# Altium PCB AiwacA33.PcbDoc (part 13 of 14) (continued)
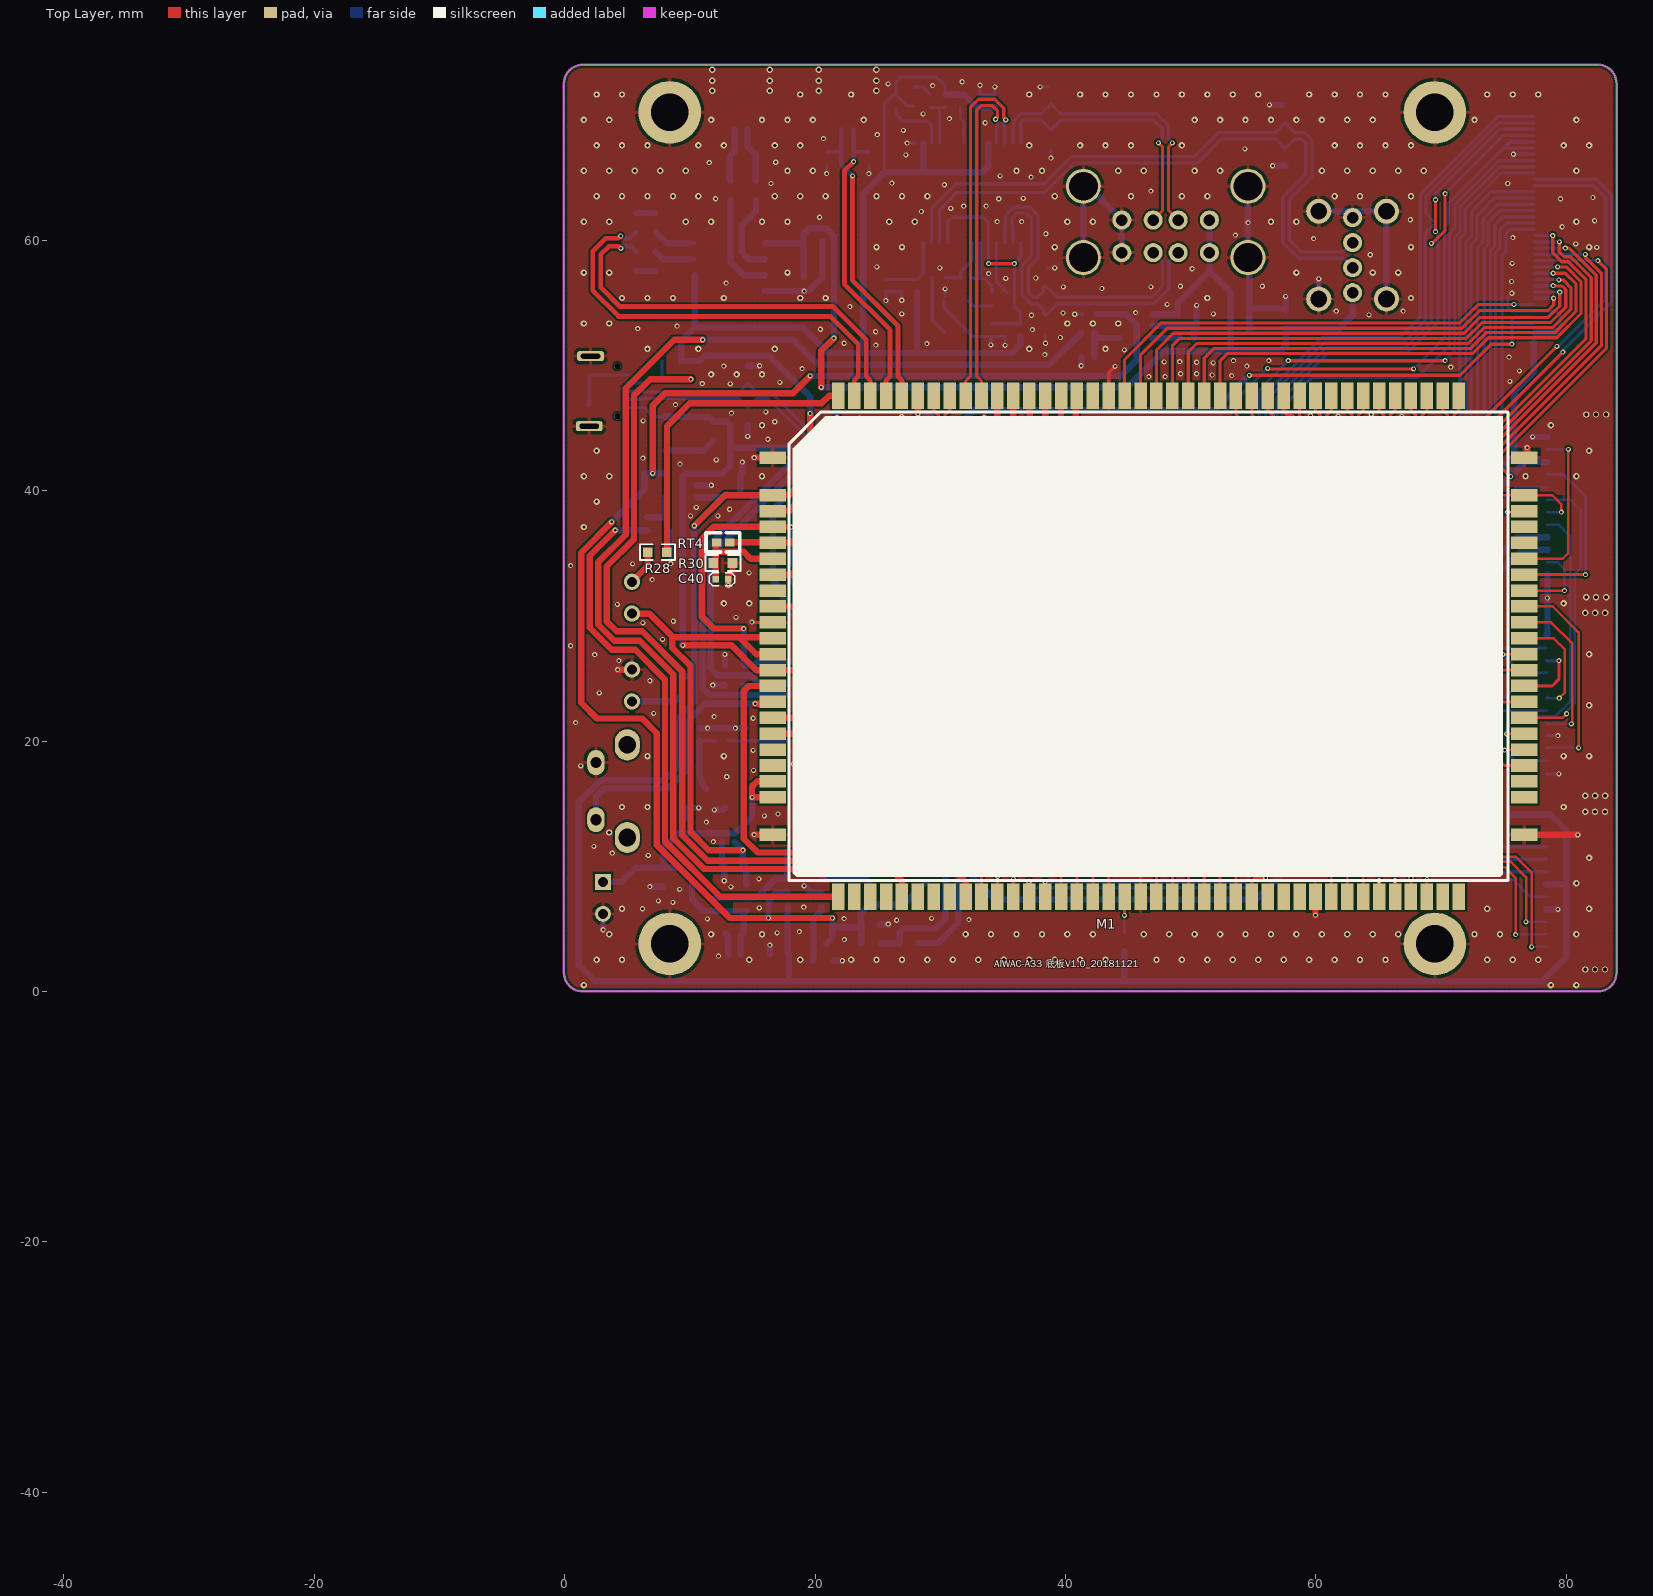
[diagram p0: Top Layer view]
## Nets (pads, with @x,y where several pads share a name; then routed paths per layer and width w, separated by ;. In a path a pad name is that pad's centre, name@x,y a point inside that pad or via, vN(x,y) a via of type N, cw(c..) or ccw(c..) an arc to the next point about the centre after c; other vN are vias at no path point) (continued)
LVDS0_VNC: J1.31 M1.83 | length 29.5
  Top Layer w0.254: v1(68.549,45.644) 68.473,45.72 68.473,46.012 68.854,46.393 M1.83@68.854,47.57
  Bottom Layer w0.254: v1(68.549,45.644) 68.549,45.116 68.732,44.933 70.536,44.933 71.476,45.872 71.476,60.08 71.907,60.512 71.907,62.484 74.782,65.358 J1.31@77.405,65.358
LVDS0_VP0: J1.22 M1.90 | length 40
  Top Layer w0.254: M1.90@59.964,47.57 59.964,46.393 60.345,46.012 60.345,45.39 v1(60.269,45.314)
  Bottom Layer w0.254: v1(60.269,45.314) 60.345,45.237 60.345,43.173 62.091,41.427 63.553,41.427 63.578,41.402 72.342,41.402 74.854,43.914 74.854,58.798 75.184,59.128 75.184,60.554 75.489,60.858 J1.22@77.405,60.858
LVDS0_VP1: J1.24 M1.88 | length 37.2
  Top Layer w0.254: M1.88@62.504,47.57 62.504,46.393 62.885,46.012 62.885,45.491 v1(62.809,45.415)
  Bottom Layer w0.254: v1(62.809,45.415) 62.885,45.339 62.885,43.388 63.957,42.316 71.963,42.316 73.939,44.293 73.939,59.177 74.27,59.507 74.27,61.207 74.921,61.858 J1.24@77.405,61.858
LVDS0_VP2: J1.26 M1.86 | length 33.6
  Top Layer w0.254: M1.86@65.044,47.57 65.044,46.393 65.425,46.012 65.425,45.796 v1(65.349,45.72)
  Bottom Layer w0.254: v1(65.349,45.72) 65.425,45.644 65.425,44.397 66.338,43.485 71.838,43.485 72.898,44.544 72.898,59.429 73.355,59.886 73.355,61.715 74.499,62.858 J1.26@77.405,62.858
LVDS0_VPC: J1.28 M1.84 | length 30.1
  Top Layer w0.254: M1.84@67.584,47.57 67.584,46.393 67.965,46.012 67.965,45.72 v1(67.889,45.644)
  Bottom Layer w0.254: v1(67.889,45.644) 67.889,45.058 68.522,44.425 70.841,44.425 71.984,45.568 71.984,59.87 72.415,60.302 72.415,62.274 74,63.858 J1.28@77.405,63.858
MCLK-IN: R20.1 U6.30 | length 9
  Top Layer w0.508: v1(33.477,21.819) 36.474,21.819 v1(37.262,22.606)
  Bottom Layer w0.508: U6.30@29.628,21.87 29.679,21.819 v1(33.477,21.819) ; v1(37.262,22.606) R20.1@38.329,22.606
MIC+: C23.2 C25.1 J6.1 M1.116 | length 24.5
  Top Layer w0.381: v1(23,65.126) 22.987,65.113 22.987,56.794 26.627,53.155 26.627,49.128 26.944,48.81 M1.116@26.944,47.57
  Bottom Layer w0.254: C23.2@20.924,66.98 21.001,67.057 C25.1@22.093,67.057
  Bottom Layer w0.381: J6.1@22.101,68.826 22.101,67.065 C25.1@22.093,67.057 22.093,66.033 v1(23,65.126)
MIC-: C25.2 C27.1 J6.2 M1.117 | length 24.4
  Top Layer w0.381: v1(23.089,66.269) 22.352,65.532 22.352,56.464 25.992,52.825 25.992,49.128 25.674,48.81 M1.117@25.674,47.57
  Bottom Layer w0.254: C25.2@23.109,67.057 C27.1@24.328,67.057
  Bottom Layer w0.381: v1(23.089,66.269) 23.089,67.036 C25.2@23.109,67.057 23.101,67.064 J6.2@23.101,68.826
NetANT1_1: ANT1.1 C37.2 C39.2 | length 5.3
  Bottom Layer w0.254: C37.2@10.744,20.015 C39.2@12.06,20.016
  Bottom Layer w0.508: C37.2@10.744,20.015 10.744,17.59 ccw(c12.739,17.59) ANT1.1@11.328,16.18
NetC1_1: C1.1 C2.1 L1.2 U1.1 U1.5 U1.10 | length 19.8
  Top Layer w0.254: v1@33.889,58.115 v1(35.921,58.115)
  Bottom Layer w0.254: U1.10@30.597,59.817 30.597,61.509 30.912,61.824 33.426,61.824 33.848,61.402 U1.5@33.848,59.817 v1@33.848,58.125 ; C1.1@34.038,53.323 C2.1@35.206,53.323 L1.2@36.398,53.323 36.398,54.204 35.921,54.681 v1(35.921,58.115) 36.449,58.644 U1.1@36.449,59.817
  other v1: 33.858,58.115
NetC5_1: C5.1 Y1.3 | length 2.1
  Bottom Layer w0.254: Y1.3@32.209,55.186 32.671,54.724 C5.1@34.138,54.724
NetC5_2: C5.2 R3.2 U1.6 | length 5.3
  Bottom Layer w0.254: R3.2@32.588,57 R3.2@32.649,56.939 33.249,56.939 ; U1.6@33.198,59.817 33.198,56.99 33.249,56.939 ; C5.2@34.138,55.74 34.138,56.312 33.511,56.939 33.249,56.939
NetC6_1: C6.1 Y1.1 | length 4.7
  Bottom Layer w0.254: C6.1@29.364,56.99 29.364,53.631 Y1.1@30.309,52.686
NetC6_2: C6.2 R3.1 U1.7 | length 4.5
  Bottom Layer w0.254: C6.2@30.38,56.99 31.582,56.99 R3.1@31.633,56.939 31.633,57.465 32.548,58.379 U1.7@32.548,59.817
NetC7_1: C7.1 R7.1 R8.2 U1.13 | length 5.7
  Bottom Layer w0.254: C7.1@25.629,56.896 25.662,56.863 R8.2@26.922,56.863 R7.1@28.141,56.863 28.646,57.368 U1.13@28.646,59.817
NetC16_2: C16.2 R16.1 R18.2 U2.3 | length 4.6
  Bottom Layer w0.508: R18.2@19.807,2.464 19.883,2.541 C16.2@19.883,3.811 19.883,5.106 R16.1@19.858,5.131 19.858,5.811 20.493,6.446 U2.3@20.493,6.782
NetC22_1: C22.1 R19.2 Y2.1 | length 4
  Bottom Layer w0.508: C22.1@32.487,11.608 34.1,11.608 R19.2@34.112,11.62 34.733,11 Y2.1@36.225,11
NetC24_1: C24.1 J7.1 L3.1 | length 4.3
  Bottom Layer w0.508: L3.1@13.254,64.72 13.177,64.796 C24.1@13.177,66.142 13.177,66.695 13.592,67.11 J7.1@13.592,68.826
NetC26_2: C26.2 R23.1 | length 1.5
  Bottom Layer w0.508: C26.2@5.74,57.531 7.252,57.531 R23.1@7.264,57.544
NetC28_2: C28.2 R24.1 | length 1.6
  Bottom Layer w0.508: C28.2@5.715,62.166 7.252,62.166 R24.1@7.264,62.179
NetC30_1: C30.1 J7.2 L4.1 | length 4.4
  Bottom Layer w0.508: J7.2@14.592,68.826 14.592,67.475 15.26,66.807 C30.1@15.26,66.142 15.26,64.745 L4.1@15.286,64.72
NetC31_1: C31.1 R22.1 U3.3 Y2.3 | length 6.5
  Bottom Layer w0.508: R22.1@35.077,16.751 35.664,16.751 U3.3@36.794,15.621 ; C31.1@35.255,15.303 35.573,15.621 U3.3@36.794,15.621 ; Y2.3@38.125,13.5 36.794,14.831 U3.3@36.794,15.621
NetC38_2: C38.2 C39.1 U6.2 | length 4.9
  Bottom Layer w0.254: C39.1@13.076,20.016 C38.2@14.453,20.015 ; C38.2@14.453,20.015 17.923,20.015 U6.2@17.978,20.07
NetC46_2: C46.2 L5.2 U6.23 | length 12.4
  Bottom Layer w0.508: U6.23@29.628,28.17 32.511,28.17 C46.2@32.537,28.143 32.537,34.29 31.953,34.874 30.449,34.874 L5.2@29.713,34.138
NetD8_3: D8.3 L2.1 U2.6 | length 8.5
  Bottom Layer w0.508: D8.3@12.055,7.505 15.354,7.505 16.841,8.992 17.775,8.992 L2.1@17.775,11.151
NetD9_1: D9.1 L2.2 U2.1 | length 6.4
  Bottom Layer w0.508: L2.2@21.077,11.151 21.077,10.028 20.493,9.444 U2.1@20.493,8.967 24.085,8.967 D9.1@24.339,8.713
NetD10_K: D10.K R28.1 | length 2.9
  Top Layer w0.508: D10.K@5.38,32.715 6.655,33.99 R28.1@6.655,35.077
NetD11_A: D11.A R33.1 | length 4.1
  Bottom Layer w0.508: D11.A@5.38,23.165 8.839,23.165 R33.1@9.322,23.647
NetD19_2: D19.2 R5.1 | length 1.6
  Bottom Layer w0.254: D19.2@27.91,72.238 28.587,72.238 R5.1@29.222,71.603
NetJ9_1: J9.1 R35.2 | length 2.9
  Bottom Layer w0.254: R35.2@75.565,12.649 75.655,12.559 J9.1@78.401,12.559
NetJ10_4: J10.4 R38.2 R39.1 | length 4.3
  Bottom Layer w0.254: J10.4@5.049,48.585 6.573,48.585 6.884,48.896 R38.2@7.793,48.896 R39.1@7.793,50.343
NetL3_2: L3.2 U4.7 | length 8.1
  Bottom Layer w0.508: L3.2@13.254,63.196 13.254,58.273 14.325,57.201 U4.7@15.997,57.201
NetL4_2: L4.2 U4.6 | length 6.7
  Bottom Layer w0.508: L4.2@15.286,63.196 15.286,62.301 14.148,61.163 14.148,59.055 14.731,58.471 U4.6@15.997,58.471
NetL5_1: L5.1 U6.21 | length 4.4
  Bottom Layer w0.254: U6.21@27.403,29.495 27.403,30.248 27.991,30.836 29.464,30.836 29.713,31.084 L5.1@29.713,32.106
NetM1_39: M1.39 R13.2 | length 2.9
  Top Layer w0.254: v1(44.704,6.071) 44.704,7.55 M1.39@44.724,7.57
  Bottom Layer w0.254: R13.2@44.704,4.724 v1(44.704,6.071)
NetR1_1: R1.1 U1.4 | length 4.4
  Bottom Layer w0.254: U1.4@34.498,59.817 34.498,56.637 R1.1@35.382,55.753 R1.1@35.375,55.753
NetR2_2: R2.2 U1.21 | length 3
  Bottom Layer w0.254: R2.2@31.618,70.587 31.618,69.703 31.897,69.423 U1.21@31.897,67.716
NetR4_2: R4.2 R5.2 U1.18 | length 4.1
  Bottom Layer w0.254: R5.2@29.222,70.587 29.865,70.587 ; U1.18@29.947,67.716 29.947,70.505 29.865,70.587 ; R4.2@30.424,70.587 29.865,70.587
NetR6_2: R6.2 U1.17 | length 5.2
  Bottom Layer w0.254: R6.2@26.467,70.587 26.467,70.028 26.975,69.52 28.931,69.52 29.296,69.154 U1.17@29.296,67.716
NetR19_1: R19.1 R22.2 U3.1 U3.4 | length 12.5
  Bottom Layer w0.508: R19.1@34.112,13.144 33.071,14.186 33.071,17.729 33.617,18.275 R22.2@35.077,18.275 36.54,18.275 U3.4@36.794,18.021 36.794,17.772 37.65,16.916 38.049,16.916 38.694,16.271 U3.1@38.694,15.621
NetR20_2: R20.2 U3.6 | length 3.2
  Bottom Layer w0.508: R20.2@38.329,21.082 38.329,19.888 38.694,19.522 U3.6@38.694,18.021
NetR21_2: R21.2 U3.5 | length 3.9
  Bottom Layer w0.508: R21.2@35.763,21.082 37.744,19.101 U3.5@37.744,18.021
NetR23_2: R23.2 U4.3 | length 3.4
  Bottom Layer w0.254: U4.3@10.033,58.471 U4.3@10.409,58.471
  Bottom Layer w0.508: R23.2@7.264,59.068 7.861,58.471 U4.3@10.033,58.471
NetR24_2: R24.2 U4.4 | length 3.5
  Bottom Layer w0.254: U4.4@9.982,59.741 U4.4@10.409,59.741
  Bottom Layer w0.508: R24.2@7.264,60.655 8.178,59.741 U4.4@9.982,59.741
NetR29_1: R29.1 U6.29 | length 3
  Bottom Layer w0.508: U6.29@29.628,22.77 32.475,22.77 R29.1@32.588,22.657
NetR34_1: R34.1 U6.24 | length 3.2
  Bottom Layer w0.508: U6.24@29.628,27.27 31.099,27.27 31.724,26.645 R34.1@32.55,26.645
NetR40_1: R40.1 U6.17 | length 3
  Bottom Layer w0.254: U6.17@23.803,29.495 23.803,30.305 25.014,31.516 R40.1@25.014,31.979
NetRT1_1: RT1.1 RT2.2 U5.4 | length 3.2
  Bottom Layer w0.508: RT1.1@6.599,37.872 8.128,37.872 8.021,37.979 U5.4@8.021,39.46
NetRT3_2: RT3.2 U5.3 | length 2.5
  Bottom Layer w0.508: U5.3@10.561,39.46 12.707,39.46 RT3.2@12.974,39.726
NetRT5_1: RT5.1 RT6.2 U7.4 | length 4.2
  Bottom Layer w0.508: RT6.2@42.291,50.648 RT5.1@42.291,52.578 42.684,52.185 U7.4@44.394,52.185
NetRT7_2: RT7.2 U7.3 | length 2.2
  Bottom Layer w0.508: U7.3@46.934,52.185 RT7.2@49.182,52.185
PB6: M1.48
PE0_CSI-PCLK: J2.7 M1.63 | length 10.2
  Top Layer w0.203: v1(74.403,22.435) 74.403,18.713 75.072,18.045 M1.63@76.629,18.045
  Bottom Layer w0.203: v1(74.403,22.435) J2.7@78.41,22.435
PE1_CSI-MCLK: J2.11 M1.64 | length 5.3
  Top Layer w0.203: v1(75.057,19.279) 75.093,19.315 M1.64@76.629,19.315
  Bottom Layer w0.203: v1(75.057,19.279) 75.901,18.435 J2.11@78.41,18.435
PE2_CSI-HSYNC: J3.8 M1.65 | length 23.3
  Top Layer w0.203: v1(75.235,20.574) 76.618,20.574 M1.65@76.629,20.585
  Bottom Layer w0.203: v1(75.235,20.574) 75.235,21.184 76.022,21.971 79.105,21.971 80.304,23.17 80.304,36.333 79.359,37.278 J3.8@78.486,37.278
PE3_CSI-VSYNC: J3.6 M1.66 | length 23.3
  Top Layer w0.203: M1.66@76.629,21.855 79.691,21.855 v1(80.01,22.174)
  Bottom Layer w0.203: J3.6@78.486,39.278 80.331,39.278 81.142,38.466 81.142,33.822 80.66,33.339 80.66,23.022 79.911,22.274 v1(80.01,22.174)
PE4_CSI-D0: J2.5 M1.67 | length 6.1
  Top Layer w0.203: v1(74.727,23.114) 76.618,23.114 M1.67@76.629,23.125
  Bottom Layer w0.203: v1(74.727,23.114) 76.048,24.435 J2.5@78.41,24.435
PE5_CSI-D1: J2.3 M1.68 | length 5.5
  Top Layer w0.254: M1.68@76.629,24.395 78.852,24.395 79.4,24.943 v1(79.4,26.416)
  Bottom Layer w0.254: J2.3@78.41,26.435 78.429,26.416 v1(79.4,26.416)
PE6_CSI-D2: J2.2 M1.69 | length 8.3
  Top Layer w0.254: v1(74.016,27.432) 74.016,26.518 74.868,25.665 M1.69@76.629,25.665
  Bottom Layer w0.254: v1(74.016,27.432) 74.018,27.435 J2.2@78.41,27.435
PE7_CSI-D3: J2.4 M1.70 | length 5.8
  Top Layer w0.203: v1(74.93,26.924) 76.618,26.924 M1.70@76.629,26.935
  Bottom Layer w0.203: v1(74.93,26.924) 76.419,25.435 J2.4@78.41,25.435
PE8_CSI-D4: J2.6 M1.71 | length 8.9
  Top Layer w0.203: M1.71@76.691,28.143 M1.71@76.629,28.205 78.983,28.205 79.858,27.33 79.858,23.851 v1(79.426,23.419)
  Bottom Layer w0.203: J2.6@78.41,23.435 78.495,23.52 78.597,23.419 v1(79.426,23.419)
PE9_CSI-D5: J2.8 M1.72 | length 13
  Top Layer w0.203: M1.72@76.629,29.475 78.78,29.475 80.467,27.788 80.467,21.438 v1(80.391,21.361)
  Bottom Layer w0.203: J2.8@78.41,21.435 78.413,21.438 78.489,21.361 v1(80.391,21.361)
PE10_CSI-D6: J2.10 M1.73 | length 17
  Top Layer w0.203: M1.73@76.629,30.745 78.907,30.745 80.975,28.677 v1(80.975,19.456)
  Bottom Layer w0.203: J2.10@78.41,19.435 78.414,19.431 78.439,19.456 v1(80.975,19.456)
PE11_CSI-D7: J3.11 M1.74 | length 6.5
  Top Layer w0.203: M1.74@76.629,32.015 v1(79.847,32.015)
  Bottom Layer w0.203: J3.11@78.486,34.278 79.286,34.278 79.847,33.717 v1(79.847,32.015)
PE12_CSI-SCK: J3.4 M1.75 | length 14.9
  Top Layer w0.254: M1.75@76.629,33.285 v1(81.523,33.285)
  Bottom Layer w0.254: J3.4@78.486,41.278 79.753,41.278 81.523,39.508 v1(81.523,33.285)
PE13_CSI-SDA: J3.2 M1.76 | length 13.7
  Top Layer w0.203: M1.76@76.629,34.555 79.691,34.555 80.162,35.027 v1(80.162,43.282)
  Bottom Layer w0.203: J3.2@78.486,43.278 78.49,43.282 v1(80.162,43.282)
PE16_CSI-RST-F: J3.5 M1.79 R12.2 | length 8.8
  Top Layer w0.203: v1(75.311,38.278) 76.542,38.278 M1.79@76.629,38.365
  Bottom Layer w0.203: v1(75.311,38.278) 73.736,38.278 R12.2@73.584,38.43 74.143,38.43 75.99,40.278 J3.5@78.486,40.278
PE17_CSI-STBY-F: J3.7 M1.80 R9.1 | length 17.9
  Top Layer w0.203: v1(70.906,37.603) 70.906,38.546 71.994,39.635 M1.80@76.629,39.635 78.867,39.635 79.604,38.898 v1(79.604,38.278)
  Bottom Layer w0.203: v1@70.917,37.603 70.917,33.452 R9.1@72.06,32.309 ; J3.7@78.486,38.278 v1(79.604,38.278)
PH4-SCK1: M1.49
PH5-SDA1: M1.50
POWERKEY: M1.14 S1.2 | length 21.4
  Top Layer w0.508: v1(15.215,22.987) 16.491,22.987 M1.14@16.629,23.125
  Bottom Layer w0.508: S1.2@2.509,13.717 2.509,15.565 3.154,16.21 8.285,16.21 9.855,17.78 9.855,21.641 11.201,22.987 v1(15.215,22.987)
PS: C14.1 C15.2 D8.1 D10.A M1.10 M1.11 | length 40
  Top Layer w0.508: D10.A@5.38,30.175 6.782,30.175 8.611,28.346 8.611,28.296 ; v1(14.24,11.29) 11.513,11.29 10.058,12.745 10.058,26.01 8.611,27.457 8.611,28.296 ; M1.11@16.629,26.935 15.316,26.935 13.955,28.296 ; M1.10@16.629,28.205 16.538,28.296 13.955,28.296 ; 8.611,28.296 13.955,28.296
  Bottom Layer w0.508: C15.2@13.592,11.939 v1(14.24,11.29) C14.1@14.24,10.135 14.519,9.857 D8.1@14.519,8.56
SDC0-CLK: J9.6 M1.58 | length 11.5
  Top Layer w0.203: M1.58@68.854,7.57 68.859,7.575 v1(68.859,8.941)
  Bottom Layer w0.203: v1(68.859,8.941) 75.743,8.941 77.125,7.559 J9.6@78.401,7.559
SDC0-CMD: J9.4 M1.57 | length 12.5
  Top Layer w0.254: M1.57@67.584,7.57 67.589,7.575 v1(67.589,9.042)
  Bottom Layer w0.254: v1(67.589,9.042) 68.106,9.559 J9.4@78.401,9.559
SDC0-D0: J9.8 M1.53 | length 22.5
  Top Layer w0.203: M1.53@62.504,7.57 62.504,9.804 63.063,10.363 75.527,10.363 76.784,9.106 76.784,5.588 v1(76.759,5.563)
  Bottom Layer w0.203: v1(76.759,5.563) 76.762,5.559 J9.8@78.401,5.559
SDC0-D1: J9.9 M1.54 | length 21.7
  Top Layer w0.203: M1.54@63.774,7.57 63.774,9.597 64.109,9.931 75.074,9.931 75.946,9.06 v1(75.946,4.547)
  Bottom Layer w0.203: v1(75.946,4.547) v1@75.946,4.559 ; J9.9@78.401,4.559 v1@75.946,4.559 ; v1@75.946,4.559 75.933,4.559 75.946,4.572 v1@75.946,4.559
SDC0-D2: J9.2 M1.55 | length 16.9
  Top Layer w0.254: M1.55@65.044,7.57 65.049,7.575 v1(65.049,8.839)
  Bottom Layer w0.254: v1(65.049,8.839) 65.049,10.82 65.788,11.559 J9.2@78.401,11.559
SDC0-D3: J9.3 M1.56 | length 14.8
  Top Layer w0.254: M1.56@66.314,7.57 66.319,7.575 v1(66.319,8.865)
  Bottom Layer w0.254: v1(66.319,8.865) 66.319,10.033 66.845,10.559 J9.3@78.401,10.559
SDIO-CLK: M1.42 R40.2 | length 46
  Top Layer w0.254: v1(24.968,34.188) 24.892,34.112 24.892,20.43 31.123,14.199 46.152,14.199 48.534,11.816 M1.42@48.534,7.57
  Bottom Layer w0.254: v1(24.968,34.188) 25.014,34.143 R40.2@25.014,33.503
SDIO-CMD: M1.41 R43.2 U6.16 | length 44.7
  Top Layer w0.254: v1(22.903,30.701) 22.903,21.844 30.955,13.792 45.949,13.792 47.264,12.477 M1.41@47.264,7.57
  Bottom Layer w0.508: U6.16@22.903,29.495 v1(22.903,30.701) 23.515,31.313 R43.2@23.515,31.979
SDIO-D0: M1.43 R44.2 U6.18 | length 45.6
  Top Layer w0.254: v1(25.375,30.886) 25.375,20.522 31.241,14.656 46.33,14.656 49.83,11.155 49.83,7.544 M1.43@49.804,7.57
  Bottom Layer w0.254: U6.18@24.703,29.495 24.703,30.215 v1(25.375,30.886) 26.467,31.979 R44.2@26.538,31.979
SDIO-D1: M1.44 R45.2 U6.19 | length 46.4
  Top Layer w0.254: v1(25.895,30.543) 25.895,20.587 31.344,15.138 46.466,15.138 51.074,10.53 M1.44@51.074,7.57
  Bottom Layer w0.254: U6.19@25.603,29.495 25.603,30.251 v1(25.895,30.543) 26.187,30.836 27.356,30.836 27.986,31.465 R45.2@27.986,31.979
SDIO-D2: M1.45 R41.2 U6.14 | length 48.9
  Top Layer w0.254: v1(26.492,27.508) 26.492,20.565 31.512,15.545 46.634,15.545 52.344,9.835 M1.45@52.344,7.57
  Bottom Layer w0.254: U6.14@21.103,29.495 21.103,28.706 21.387,28.423 25.578,28.423 v1(26.492,27.508)
  Bottom Layer w0.508: R41.2@20.493,31.979 20.493,31.069 21.103,30.459 U6.14@21.103,29.495
SDIO-D3: M1.46 R42.2 U6.15 | length 57.9
  Top Layer w0.254: v1(22.003,30.886) 22.003,34.128 22.546,34.671 26.721,34.671 27.076,34.315 27.076,20.574 31.699,15.951 47.041,15.951 53.614,9.378 M1.46@53.614,7.57
  Bottom Layer w0.508: R42.2@21.991,31.979 22.003,31.967 v1(22.003,30.886) U6.15@22.003,29.495
SPI0-CLK: M1.61
SPI0-CS: M1.62
SPI0-MISO: M1.59
SPI0-MOSI: M1.60
T-CARD-DET: J9.10 M1.52 | length 26
  Top Layer w0.203: M1.52@61.234,7.57 61.234,9.418 62.586,10.77 75.946,10.77 77.216,9.5 v1(77.216,3.556)
  Bottom Layer w0.203: v1(77.216,3.556) 78.398,3.556 J9.10@78.401,3.559
TEMP: C40.1 M1.5 R30.2 RT4.1 | length 7.8
  Top Layer w0.508: C40.1@12.065,32.918 12.065,35.103 ; RT4.1@12.141,35.865 12.065,35.789 12.065,35.103 ; M1.5@16.629,34.555 14.848,34.555 14.3,35.103 12.065,35.103
TP-INT: J1.37 M1.34 | length 91.5
  Top Layer w0.254: M1.34@38.374,7.57 38.374,8.783 38.379,8.778 v1(38.379,8.763) ; v1(69.215,59.741) 69.288,59.741 70.307,60.76 v1(70.307,63.703)
  Bottom Layer w0.254: v1(38.379,8.763) 54.331,8.763 56.883,11.315 56.883,47.459 60.858,51.435 67.174,51.435 69.215,53.476 v1(69.215,59.741) ; v1(70.307,63.703) 74.962,68.358 J1.37@77.405,68.358
TP-RST: J1.40 M1.31 | length 96.3
  Top Layer w0.254: M1.31@34.564,7.57 34.564,9.19 v1(34.569,9.195)
  Bottom Layer w0.254: v1(34.569,9.195) 35.039,9.664 53.759,9.664 55.982,11.887 55.982,47.743 60.487,52.248 66.732,52.248 68.326,53.842 68.326,63.659 74.525,69.858 J1.40@77.405,69.858
TP-SCK: J1.39 M1.32 R11.2 | length 95.7
  Top Layer w0.254: M1.32@35.834,7.57 35.834,8.986 v1(35.839,8.992)
  Bottom Layer w0.254: v1(35.839,8.992) 36.106,9.258 54.114,9.258 56.388,11.532 56.388,47.574 58.318,49.505 58.331,49.505 58.852,50.025 58.852,50.038 60.655,51.841 67.005,51.841 68.732,53.569 68.732,60.55 69.345,61.163 69.545,61.163 R11.2@69.545,61.366 68.783,62.128 68.783,63.541 74.6,69.358 J1.39@77.405,69.358
TP-SDA: J1.38 M1.33 R10.2 | length 95
  Top Layer w0.254: v1(69.545,60.681) v1(69.545,63.221)
  Top Layer w0.508: v1(37.084,8.763) 37.084,7.59 M1.33@37.104,7.57
  Bottom Layer w0.254: v1(37.084,8.763) 37.567,8.28 54.432,8.28 57.289,11.137 57.289,47.291 61.027,51.029 67.342,51.029 69.748,53.435 69.748,60.477 v1(69.545,60.681) ; R10.2@69.545,62.56 v1(69.545,63.221) 69.545,63.729 74.675,68.858 J1.38@77.405,68.858
UART2_CTS: M1.25 RT5.2 | length 101.3
  Top Layer w0.508: v1(11.024,52.045) 8.763,52.045 4.881,48.162 4.881,36.478 2.692,34.29 2.692,29.286 3.962,28.016 5.994,28.016 8.687,25.324 8.687,12.249 11.156,9.779 26.015,9.779 26.944,8.85 M1.25@26.944,7.57
  Bottom Layer w0.508: v1(11.024,52.045) 18.263,52.045 20.269,50.038 38.71,50.038 RT5.2@41.25,52.578
USB-DM0: D13.2 J10.2 M1.113 | length 30.4
  Top Layer w0.254: v1(29.02,44.323) 29.185,44.488 29.751,44.488 30.373,45.111 30.373,46.012 30.754,46.393 M1.113@30.754,47.57
  Bottom Layer w0.254: J10.2@5.049,47.285 6.226,47.285 6.297,47.356 13.538,47.356 ; 13.335,47.352 13.926,47.352 D13.2@14.63,46.647 15.335,47.352 16.25,47.352 19.126,44.475 28.868,44.475 v1(29.02,44.323) ; v1@29.058,44.361 v1@29.096,44.323
USB-DM1: M1.111 U1.25 | length 27.7
  Top Layer w0.254: M1.111@33.294,47.57 33.294,48.747 32.918,49.123 32.918,70.384 33.269,70.734 34.15,70.734 34.569,70.315 34.569,69.799 v1(34.417,69.647)
  Bottom Layer w0.254: v1(34.417,69.647) 34.569,69.494 34.569,69.108 34.498,69.037 U1.25@34.498,67.716
USB-DP0: D12.2 J10.3 M1.114 | length 29.5
  Top Layer w0.254: v1(29.02,45.161) 29.185,44.996 29.54,44.996 29.865,45.321 29.865,46.012 29.484,46.393 M1.114@29.484,47.57
  Bottom Layer w0.254: J10.3@5.049,47.935 6.226,47.935 6.297,47.864 13.538,47.864 ; 13.335,47.86 13.938,47.86 D12.2@14.643,48.565 15.348,47.86 16.46,47.86 19.337,44.983 28.842,44.983 v1@28.969,45.11 ; v1@28.956,45.124 v1@28.969,45.11 ; v1(29.02,45.161) v1@28.969,45.11
USB-DP1: M1.112 U1.26 | length 29.4
  Top Layer w0.254: M1.112@32.024,47.57 32.024,48.747 32.41,49.133 32.41,70.595 33.058,71.242 34.361,71.242 35.077,70.526 35.077,69.748 v1(35.23,69.596)
  Bottom Layer w0.254: U1.26@35.149,67.716 35.149,69.037 35.077,69.108 35.077,69.444 v1(35.23,69.596)
USB-DRVVBUS: M1.21 RT1.2 | length 47.5
  Top Layer w0.508: v1(4.039,36.831) 2.006,34.798 2.006,29.038 3.765,27.28 5.639,27.28 8.026,24.892 8.026,11.975 12.432,7.57 M1.21@21.864,7.57
  Bottom Layer w0.508: v1(4.039,36.831) RT1.2@6.599,36.831
USB-ID: M1.29 R38.1 | length 70.9
  Top Layer w0.508: v1(10.084,48.895) 6.833,48.895 5.541,47.604 5.541,36.123 3.378,33.96 3.378,29.54 4.166,28.753 6.192,28.753 9.398,25.547 9.398,12.471 11.43,10.439 26.289,10.439 27.153,9.576 31.222,9.576 32.024,8.774 M1.29@32.024,7.57
  Bottom Layer w0.508: R38.1@9.317,48.896 v1(10.084,48.895)
VBAT: C20.2 C21.1 C36.1 D8.2 J8.1 M1.19 M1.20 | length 33.5
  Top Layer w0.508: J8.1@3.073,8.738 J8.1@3.085,8.726 ; M1.20@16.629,15.505 v1(14.971,15.505) 14.971,16.368 15.378,16.775 M1.19@16.629,16.775
  Bottom Layer w0.508: J8.1@3.073,8.738 4.546,8.738 5.677,9.869 C36.1@7.899,9.869 ; C21.1@14.074,2.922 14.074,4.432 C20.2@14.316,4.674 14.316,6.224 D8.2@14.519,6.427 11.1,6.427 10.18,7.346 10.18,8.887 9.199,9.869 C36.1@7.899,9.869 ; v1(14.971,15.505) 14.971,13.955 13.64,12.624 12.374,12.624 12.372,12.622 9.092,12.622 7.899,11.43 C36.1@7.899,9.869
VCC-3V0: C3.2 C4.2 D19.1 J9.5 L1.1 M1.1 R2.1 R4.1 R6.1 R7.2 R13.1 R17.2 R32.1 R33.2 R39.2 U1.16 U1.24 U2.4 U4.1 U4.2 | length 263.8
  Top Layer w0.508: v1(10.363,37.186) 12.812,39.635 M1.1@16.629,39.635 17.922,39.635 19.609,41.322 v1(19.609,46.152)
  Bottom Layer w0.254: 25.578,65.43 25.54,65.468 25.54,70.853 26.289,71.603 R6.1@26.467,71.603 ; D19.1@27.91,70.714 27.356,70.714 R6.1@26.467,71.603 ; R4.1@30.424,71.603 30.424,72.293 29.693,73.025 26.899,73.025 26.467,72.593 R6.1@26.467,71.603
  Bottom Layer w0.508: R33.2@9.322,25.171 10.338,25.171 10.363,25.197 ; v1(10.363,37.186) 10.363,25.197 ; U4.2@10.409,57.201 U4.1@10.409,55.931 10.409,53.03 ; U2.4@17.8,6.782 17.8,3.074 R17.2@17.927,2.947 17.927,0.813 44.704,0.813 ; 17.831,0.813 2.464,0.813 1.143,2.134 1.143,15.133 2.881,16.87 8.012,16.87 9.195,18.054 9.195,21.914 10.363,23.083 10.363,25.197 ; v1(19.609,46.152) 19.609,47.498 16.358,50.749 11.201,50.749 10.795,50.343 R39.2@9.317,50.343 9.317,51.938 10.409,53.03 ; R7.2@28.141,55.847 28.141,51.027 28.092,50.978 ; U1.16@28.646,67.716 28.646,65.435 28.651,65.43 ; R4.1@30.424,71.603 R2.1@31.618,71.603 31.918,71.603 32.926,70.595 C3.2@33.174,70.595 C4.2@34.368,70.595 ; U1.24@33.848,67.716 33.848,65.903 33.376,65.43 28.651,65.43 ; L1.1@36.398,52.307 36.398,51.638 35.738,50.978 28.092,50.978 ; R13.1@44.704,3.2 44.704,0.813 ; R32.1@75.565,14.122 78.74,14.122 79.985,12.878 79.985,8.712 ; J9.5@78.401,8.559 79.831,8.559 79.985,8.712 ; 10.409,53.03 19.03,53.03 21.082,50.978 23.851,50.978 ; 23.851,50.978 23.851,63.703 25.578,65.43 28.651,65.43 ; 23.851,50.978 28.092,50.978 ; 44.704,0.813 78.054,0.813 79.985,2.743 79.985,8.712
VCC-CTP: J1.35 J1.36 M1.6 R10.1 R11.1 | length 86.8
  Top Layer w0.254: v1(56.134,49.759) 56.185,49.708 v1(67.793,49.708)
  Top Layer w0.508: M1.6@16.629,33.285 18.096,33.285 18.56,33.749 18.56,35.096 19.939,36.474 19.939,37.998 22.86,40.919 31.16,40.919 32.664,42.424 32.664,45.009 v1(33.503,45.847)
  Bottom Layer w0.254: v1(33.503,45.847) 52.222,45.847 v1(56.134,49.759) ; v1(67.793,49.708) 70.256,52.172 70.256,61.062 R11.1@70.561,61.366 70.557,61.37 70.557,62.556 R10.1@70.561,62.56 70.561,62.912 75.008,67.358 ; J1.35@77.405,67.358 75.008,67.358 ; J1.36@77.405,67.858 75.508,67.858 75.008,67.358
VCC-LCD: J1.7 J1.8 M1.4 RT4.2 | length 77.3
  Top Layer w0.254: v1(54.686,49.2) 71.501,49.2 73.99,51.689 v1(75.641,51.689)
  Top Layer w0.508: RT4.2@13.183,35.865 16.589,35.865 M1.4@16.629,35.825 18.121,35.825 18.898,36.601 18.898,38.049 22.428,41.58 30.886,41.58 32.004,42.697 v1(32.004,45.745)
  Bottom Layer w0.254: v1(75.641,51.689) 75.641,53.333 75.616,53.358 ; J1.7@77.405,53.358 75.616,53.358 ; J1.8@77.405,53.858 75.931,53.858 75.616,53.543 75.616,53.358
  Bottom Layer w0.508: v1(32.004,45.745) 32.715,46.457 33.755,46.457 33.781,46.431 51.918,46.431 v1(54.686,49.2)
VCC-WIFI: C41.1 C45.2 C49.1 M1.3 R21.1 R25.1 R26.1 R29.2 R36.1 R41.1 R42.1 R43.1 R44.1 R45.1 U6.9 U6.22 | length 84.5
  Top Layer w0.508: v1(14.3,28.981) 11.913,28.981 10.947,29.947 10.947,36.144 11.898,37.095 M1.3@16.629,37.095 16.64,37.084 v1(18.085,37.084) ; v1(27.991,34.366) 28.016,34.341 29.972,34.341 31.465,32.847 v1(31.465,31.166) 31.465,25.227 v1(31.471,25.222)
  Bottom Layer w0.508: v1(14.3,28.981) 14.3,26.094 C41.1@14.333,26.061 15.114,26.061 15.423,26.37 U6.9@17.978,26.37 ; v1(18.085,37.084) 18.085,34.4 C49.1@18.994,33.491 20.48,33.491 R41.1@20.493,33.503 R42.1@21.991,33.503 R43.1@23.515,33.503 23.515,34.336 23.978,34.798 26.035,34.798 26.538,34.295 R44.1@26.538,33.503 R45.1@27.986,33.503 27.986,34.361 v1(27.991,34.366) ; R26.1@20.035,13.666 R25.1@21.534,13.666 24.358,13.666 25.324,12.7 29.337,12.7 32.41,15.773 32.41,18.003 34.138,19.73 34.138,22.631 R29.2@34.112,22.657 ; U6.22@28.303,29.495 30.663,29.495 31.465,30.297 v1(31.465,31.166) C45.2@31.465,31.967 ; v1(31.471,25.222) 32.5,25.222 R36.1@32.55,25.172 32.55,24.498 34.112,22.936 R29.2@34.112,22.657 ; R21.1@35.763,22.606 35.712,22.657 R29.2@34.112,22.657
WL-HOST-WAKE: M1.108 U6.13 | length 35.3
  Top Layer w0.508: v1(19.761,30.759) v1(19.761,34.392) ; M1.108@37.104,47.57 37.16,47.514 v1(37.16,40.107)
  Bottom Layer w0.508: v1(19.761,30.759) 20.203,30.318 U6.13@20.203,29.495 ; v1(19.761,34.392) 19.761,39.395 20.472,40.107 v1(37.16,40.107)
WL-REG-ON: M1.107 R37.1 U6.12 | length 39.8
  Top Layer w0.508: v1(38.374,40.874) M1.107@38.374,47.57
  Bottom Layer w0.508: U6.12@19.303,29.495 18.892,29.495 17.47,30.917 R37.1@17.47,31.979 16.629,32.82 16.629,38.473 19.025,40.869 38.369,40.869 v1(38.374,40.874)
pads on no net: J10. J10.0 M1.7 M1.17 M1.18 M1.22 M1.23 M1.24 M1.26 M1.27 M1.28 M1.77 M1.78 M1.104 S1.0 U1.8 U1.9 U1.14 U1.19 U1.20 U1.22 U1.23 U6.4 U6.5 U6.8 U6.10 U6.11 U6.25 U6.26 U6.27 U6.28 U6.32 U6.35 U6.37 U6.38 U6.39 U6.40

## Polygon pours and split planes (outlines as drawn)
GND on Bottom Layer "AutoNaming" (hatched 90Degree grid 0.102 track 0.127, remove dead copper, pour order 22): 1.321,74.016 82.982,74.016 83.033,74.016 83.845,73.203 83.972,73.076 83.972,72.161 83.972,0.864 83.058,-0.051 83.007,0 82.5,0 0.787,0 0.229,0.559 -0.056,0.843 -0.056,2.134 -0.056,73.198 0.533,73.787 0.762,74.016 1.321,74.016
GND on Top Layer "AutoNaming" (hatched 90Degree grid 0.102 track 0.127, remove dead copper, pour order 26): 1.5,74 83.074,74 83.795,73.279 84,73.074 84,71.628 84,1.018 83.998,1.016 83.083,0.102 83.083,-0.025 82.321,-0.025 82.245,0.051 1.092,0.051 0.813,0.051 0.127,0.737 -0.056,0.92 -0.056,1.524 -0.056,73.071 0.584,73.711 0.873,74 1.5,74
GND on Top Layer "AutoNaming" (hatched 90Degree grid 0.102 track 0.127, remove dead copper, pour order 24): 1.5,74 1.51,73.99 82.829,73.99 82.931,73.99 83.947,72.974 83.947,71.349

## Keep-outs
Keep-Out Layer:
  the board outline again, w0.2